# Altium PCB OctopusPB_r0101.PcbDoc (part 8 of 11) (continued)
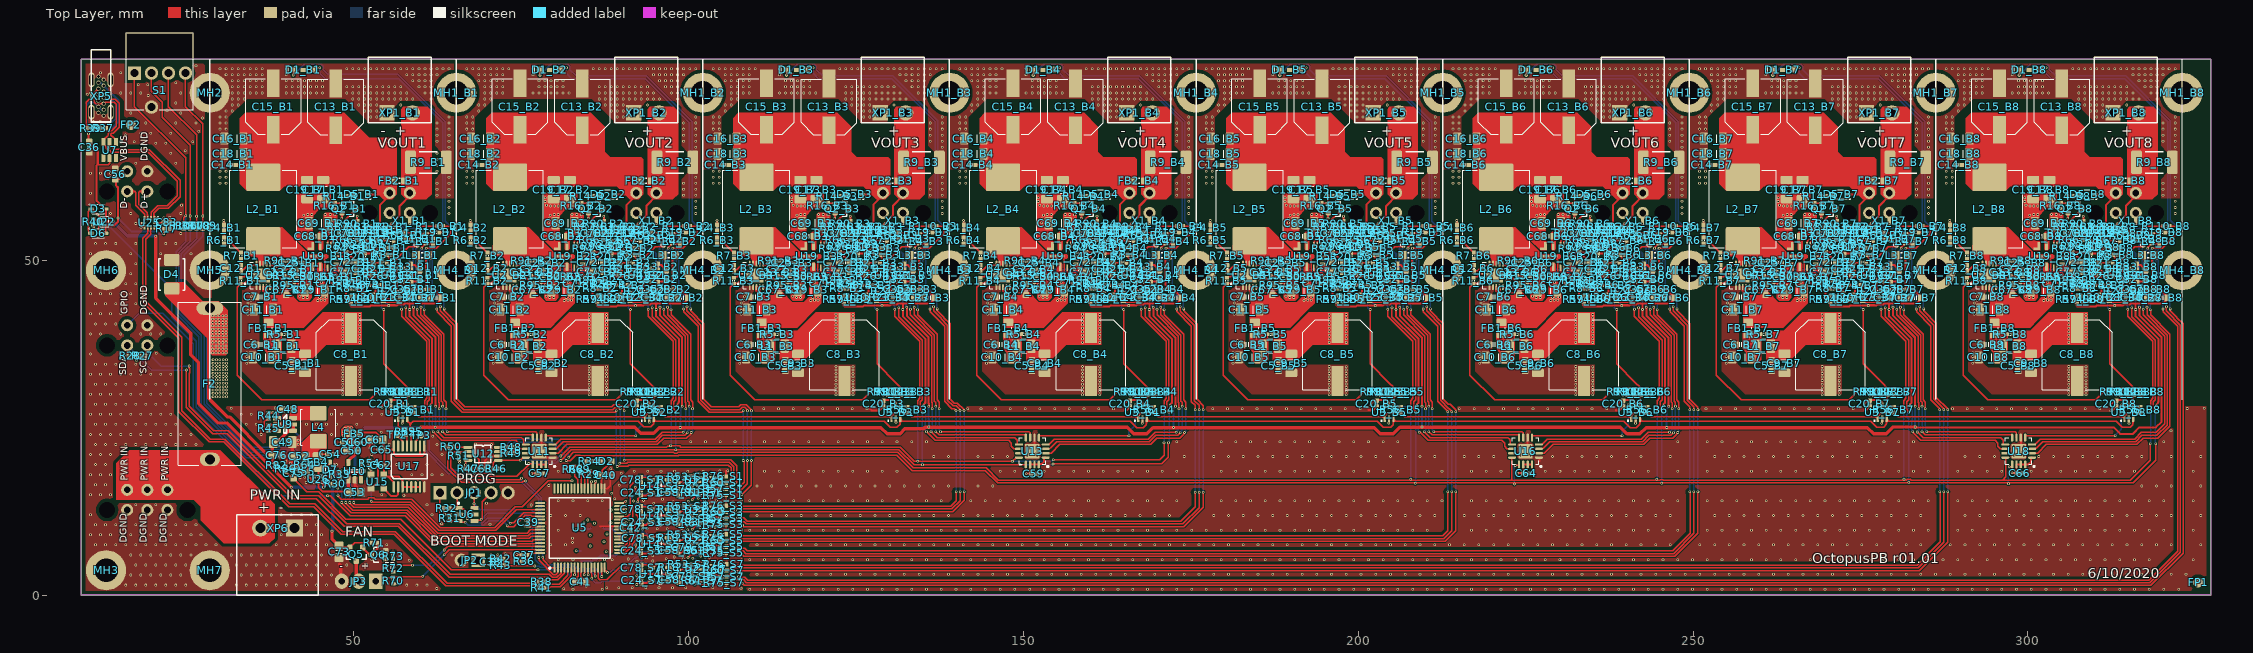
[diagram p0: Top Layer view]
## Nets (pads, with @x,y where several pads share a name; then routed paths per layer and width w, separated by ;. In a path a pad name is that pad's centre, name@x,y a point inside that pad or via, vN(x,y) a via of type N, cw(c..) or ccw(c..) an arc to the next point about the centre after c; other vN are vias at no path point) (continued)
I2C0_SDA: R24_B1.2 R24_B2.2 R24_B3.2 R24_B4.2 R47.1 U4_B1.7 U4_B2.7 U4_B3.7 U4_B4.7 U11.13 U12.4 U13.13 U20_B1.5 U20_B2.5 U20_B3.5 U20_B4.5 | length 244.2
  Top Layer w0.2: U20_B1.5@54.405,43.725 56.225,43.725 56.325,43.825 57.231,43.825 v1@57.44,44.034 ; U4_B1.7@56.979,46.84 57.004,46.815 57.004,46.365 57.232,46.137 57.232,45.376 57.417,45.191 57.417,44.888 57.44,44.866 v1@57.44,44.034 ; v1(57.55,44.1) 57.521,44.1 57.455,44.034 v1@57.44,44.034 ; v1(57.735,42.915) 57.735,41.581 61.25,38.066 61.25,29.184 60.95,28.884 60.95,27.707 61.25,27.407 v1(61.25,27.3) ; U12.4@67.05,20.1 66.788,20.1 66.672,19.985 v1(66.672,19.444) 66.672,18.902 R47.1@66.62,18.85 66.62,18.81 66.945,18.485 66.945,18.434 67.678,17.701 74.326,17.701 76.087,19.462 76.087,19.637 v1(76.1,19.65) ; v1@76.25,19.625 76.631,19.625 76.7,19.556 U11.13@76.7,19.5 ; v1(80.9,20.1) 80.954,20.1 81.104,20.25 81.107,20.25 81.575,20.718 81.575,20.782 82.493,21.7 131.409,21.7 133.659,19.45 v1(149.5,19.45) 150.3,19.45 U13.13@150.35,19.5 ; U20_B2.5@91.23,43.725 93.05,43.725 93.15,43.825 94.056,43.825 v1@94.265,44.034 ; U4_B2.7@93.804,46.84 93.829,46.815 93.829,46.365 94.057,46.137 94.057,45.376 94.242,45.191 94.242,44.888 94.265,44.866 v1@94.265,44.034 ; v1(94.375,44.1) 94.346,44.1 94.28,44.034 v1@94.265,44.034 ; v1(94.56,42.915) 94.56,41.581 98.075,38.066 98.075,29.184 97.775,28.884 97.775,27.707 98.075,27.407 v1(98.075,27.3) ; U20_B3.5@128.055,43.725 129.875,43.725 129.975,43.825 130.881,43.825 v1@131.09,44.034 ; U4_B3.7@130.629,46.84 130.654,46.815 130.654,46.365 130.882,46.137 130.882,45.376 131.067,45.191 131.067,44.888 131.09,44.866 v1@131.09,44.034 ; v1(131.2,44.1) 131.171,44.1 131.105,44.034 v1@131.09,44.034 ; v1(131.385,42.915) 131.385,41.581 134.9,38.066 134.9,29.184 134.6,28.884 134.6,27.707 134.9,27.407 v1(134.9,27.3) ; v1(154.4,19.575) 170.619,19.575 171.65,20.606 v1(171.65,22.725) ; U20_B4.5@164.88,43.725 166.7,43.725 166.8,43.825 167.706,43.825 v1@167.915,44.034 ; U4_B4.7@167.454,46.84 167.479,46.815 167.479,46.365 167.707,46.137 167.707,45.376 167.892,45.191 167.892,44.888 167.915,44.866 v1@167.915,44.034 ; v1(168.025,44.1) 167.996,44.1 167.93,44.034 v1@167.915,44.034 ; v1(168.21,42.915) 168.21,41.581 171.725,38.066 171.725,29.184 171.425,28.884 171.425,27.707 171.725,27.407 v1(171.725,27.3)
  Bottom Layer w0.2: v1@57.575,44.1 57.735,43.94 v1@57.735,42.95 ; v1(61.25,27.3) 61.25,21.541 64.166,18.625 66.275,18.625 66.672,19.022 v1(66.672,19.444) ; v1(76.1,19.65) 80.175,19.65 80.625,20.1 v1(80.9,20.1) ; v1@94.4,44.1 94.56,43.94 v1@94.56,42.95 ; v1(98.075,21.7) 98.1,21.725 98.1,27.275 v1(98.075,27.3) ; v1@131.225,44.1 131.385,43.94 v1@131.385,42.95 ; v1(134.9,27.3) 134.9,19.5 v1(134.925,19.475) ; v1(149.5,19.45) 154.275,19.45 v1(154.4,19.575) ; v1@168.05,44.1 168.21,43.94 v1@168.21,42.95 ; v1@171.75,22.725 v1@171.75,27.275
I2C1_SCL: R23_B5.2 R23_B6.2 R23_B7.2 R23_B8.2 R48.1 U4_B5.5 U4_B6.5 U4_B7.5 U4_B8.5 U12.8 U16.12 U18.12 U20_B5.6 U20_B6.6 U20_B7.6 U20_B8.6 | length 398.4
  Top Layer w0.2: U12.8@71.55,22.05 71.562,22.063 v1(72.45,22.063) 73.007,22.063 R48.1@73.02,22.075 ; v1(82.075,20.575) 82.8,21.3 97.768,21.3 97.868,21.2 98.282,21.2 98.382,21.3 131.244,21.3 133.569,18.975 144.466,18.975 146.266,17.175 222.9,17.175 ; U20_B5.6@201.743,44.188 U20_B5.6@201.705,44.225 201.755,44.275 203.07,44.275 R23_B5.2@203.245,44.45 203.245,44.49 202.912,44.823 202.912,45.882 203.095,46.064 v1@203.22,46.064 ; U4_B5.5@203.277,46.551 203.277,46.122 v1@203.22,46.064 ; U4_B5.5@203.279,46.749 U4_B5.5@203.279,46.84 ; v1(203.303,46.102) 203.264,46.064 v1@203.22,46.064 ; v1(204.425,42.7) 204.425,41.625 208.15,37.9 208.15,29.35 207.85,29.05 v1(207.85,27.4) ; U16.12@222.975,20.525 222.969,20.525 222.9,20.456 222.9,17.175 ; U20_B6.6@238.568,44.188 U20_B6.6@238.53,44.225 238.58,44.275 239.895,44.275 R23_B6.2@240.07,44.45 240.07,44.49 239.737,44.823 239.737,45.882 239.92,46.064 v1@240.045,46.064 ; U4_B6.5@240.102,46.551 240.102,46.122 v1@240.045,46.064 ; U4_B6.5@240.104,46.749 U4_B6.5@240.104,46.84 ; v1(240.128,46.102) 240.089,46.064 v1@240.045,46.064 ; v1(241.25,42.7) 241.25,41.625 244.975,37.9 244.975,29.35 244.675,29.05 v1(244.675,27.4) ; U20_B7.6@275.393,44.188 U20_B7.6@275.355,44.225 275.405,44.275 276.72,44.275 R23_B7.2@276.895,44.45 276.895,44.49 276.562,44.823 276.562,45.882 276.745,46.064 v1@276.87,46.064 ; U4_B7.5@276.927,46.551 276.927,46.122 v1@276.87,46.064 ; U4_B7.5@276.929,46.749 U4_B7.5@276.929,46.84 ; v1(276.953,46.102) 276.914,46.064 v1@276.87,46.064 ; v1(278.075,42.7) 278.075,41.625 281.8,37.9 281.8,29.35 281.5,29.05 v1(281.5,27.4) ; U18.12@296.625,20.525 296.656,20.525 296.725,20.456 296.725,17.675 296.225,17.175 ; U20_B8.6@312.218,44.188 U20_B8.6@312.18,44.225 312.23,44.275 313.545,44.275 R23_B8.2@313.72,44.45 313.72,44.49 313.387,44.823 313.387,45.882 313.57,46.064 v1@313.695,46.064 ; U4_B8.5@313.752,46.551 313.752,46.122 v1@313.695,46.064 ; U4_B8.5@313.754,46.749 U4_B8.5@313.754,46.84 ; v1(313.778,46.102) 313.739,46.064 v1@313.695,46.064 ; v1(314.9,42.7) 314.9,41.625 318.625,37.9 318.625,29.35 318.325,29.05 v1(318.325,27.4) ; v1(318.3,22.6) 318.3,20.15 315.325,17.175 296.225,17.175 ; 222.9,17.175 245.068,17.175 245.093,17.2 245.507,17.2 245.532,17.175 281.843,17.175 281.993,17.325 282.407,17.325 282.557,17.175 296.225,17.175
  Bottom Layer w0.2: v1(72.45,22.063) 73.687,23.3 80.55,23.3 82.025,21.825 v1@82.025,20.575 ; v1(203.303,46.102) 203.303,44.272 204.425,43.15 v1(204.425,42.7) ; v1(207.85,17.275) v1(207.85,27.4) ; v1(240.128,46.102) 240.128,44.272 241.25,43.15 v1(241.25,42.7) ; v1(244.6,17.3) 244.675,17.375 v1(244.675,27.4) ; v1(276.953,46.102) 276.953,44.272 278.075,43.15 v1(278.075,42.7) ; v1(281.5,17.3) v1(281.5,27.4) ; v1(313.778,46.102) 313.778,44.272 314.9,43.15 v1(314.9,42.7) ; v1@318.325,22.6 v1(318.325,27.4)
I2C1_SDA: R24_B5.2 R24_B6.2 R24_B7.2 R24_B8.2 R49.1 U4_B5.7 U4_B6.7 U4_B7.7 U4_B8.7 U12.7 U16.13 U18.13 U20_B5.5 U20_B6.5 U20_B7.5 U20_B8.5 | length 399.1
  Top Layer w0.2: U12.7@71.55,21.4 71.598,21.352 72.348,21.352 v1(72.461,21.239) 72.575,21.125 72.995,21.125 R49.1@73.02,21.15 ; v1(81.7,20.1) 81.725,20.075 82.282,20.075 83.107,20.9 83.725,20.9 83.825,20.8 98.448,20.8 98.548,20.9 131.078,20.9 133.403,18.575 144.3,18.575 146.142,16.733 v1@223.325,16.733 ; U20_B5.5@201.705,43.725 203.525,43.725 203.625,43.825 204.531,43.825 204.74,44.034 204.74,44.866 204.717,44.888 204.717,45.191 204.532,45.376 204.532,46.137 204.304,46.365 204.304,46.815 U4_B5.7@204.279,46.84 ; v1(205.035,42.915) 205.035,41.581 208.55,38.066 208.55,29.184 208.25,28.884 208.25,27.707 208.55,27.407 v1(208.55,27.3) ; v1(223.325,16.575) 223.35,16.6 223.35,16.733 315.733,16.733 319.1,20.1 v1(319.1,22.575) ; v1(223.425,19.35) 223.931,19.35 224,19.419 U16.13@224,19.5 ; U20_B6.5@238.53,43.725 240.35,43.725 240.45,43.825 241.356,43.825 v1@241.565,44.034 ; U4_B6.7@241.104,46.84 241.129,46.815 241.129,46.365 241.357,46.137 241.357,45.376 241.542,45.191 241.542,44.888 241.565,44.866 v1@241.565,44.034 ; v1(241.675,44.1) 241.646,44.1 241.58,44.034 v1@241.565,44.034 ; v1(241.86,42.915) 241.86,41.581 245.375,38.066 245.375,29.184 245.075,28.884 245.075,27.707 245.375,27.407 v1(245.375,27.3) ; U20_B7.5@275.355,43.725 277.175,43.725 277.275,43.825 278.181,43.825 v1@278.39,44.034 ; U4_B7.7@277.929,46.84 277.954,46.815 277.954,46.365 278.182,46.137 278.182,45.376 278.367,45.191 278.367,44.888 278.39,44.866 v1@278.39,44.034 ; v1(278.5,44.1) 278.471,44.1 278.405,44.034 v1@278.39,44.034 ; v1(278.685,42.915) 278.685,41.581 282.2,38.066 282.2,29.184 281.9,28.884 281.9,27.707 282.2,27.407 v1(282.2,27.3) ; v1(297.225,19.175) 297.581,19.175 297.65,19.244 U18.13@297.65,19.5 ; U20_B8.5@312.18,43.725 314,43.725 314.1,43.825 315.006,43.825 v1@315.215,44.034 ; U4_B8.7@314.754,46.84 314.779,46.815 314.779,46.365 315.007,46.137 315.007,45.376 315.192,45.191 315.192,44.888 315.215,44.866 v1@315.215,44.034 ; v1(315.325,44.1) 315.296,44.1 315.23,44.034 v1@315.215,44.034 ; v1(315.51,42.915) 315.51,41.581 319.025,38.066 319.025,29.184 318.725,28.884 318.725,27.707 319.025,27.407 v1(319.025,27.3)
  Bottom Layer w0.2: v1(72.461,21.239) 74.023,22.8 79.557,22.8 81.4,20.957 81.4,20.454 81.7,20.154 v1(81.7,20.1) ; v1@204.875,44.1 205.035,43.94 v1@205.035,42.95 ; v1@208.55,16.825 v1(208.55,27.3) ; v1(223.325,16.575) 223.325,19.375 223.4,19.375 v1(223.425,19.35) ; v1@241.7,44.1 241.86,43.94 v1@241.86,42.95 ; v1(245.3,16.7) 245.3,27.225 v1(245.375,27.3) ; v1@278.525,44.1 278.685,43.94 v1@278.685,42.95 ; v1(282.2,16.825) 282.2,26.35 281.9,26.65 281.9,26.946 282.2,27.246 v1(282.2,27.3) ; v1(297.1,16.625) 297.1,18.432 297.225,18.557 v1(297.225,19.175) ; v1@315.35,44.1 315.51,43.94 v1@315.51,42.95 ; v1@319.05,22.575 v1@319.05,27.275
  other v1: 208.5,16.675 204.85,44.1
ISP0: R42.2 R43.2 U5.13 | length 16.5
  Top Layer w0.2: R42.2@72.395,5.425 72.397,5.422 72.397,4.452 R43.2@72.4,4.45 72.487,4.363 76.987,4.363 v1(77.025,4.325) ; U5.13@85.966,4.109 85.966,2.963 86.025,2.904 v1(86.025,2.85)
  Bottom Layer w0.2: v1(77.025,4.325) 77.063,4.287 77.188,4.287 77.2,4.275 77.707,4.275 77.845,4.137 82.65,4.137 83.262,3.525 84.607,3.525 ; 84.608,3.525 85.35,3.525 v1(86.025,2.85)
ISP1: R29.2 U5.38 | length 1.8
  Top Layer w0.2: U5.38@84.966,15.909 84.966,17.41 85.151,17.595 R29.2@85.175,17.595
MCU_USB_D_N: R41.2 U25.7 | length 94.7
  Top Layer w0.2: U25.7@19.2,54.9 19.225,54.875 19.225,54.61 19.25,54.585 19.25,54.05 18.5,53.3 18.5,43.701 23.875,38.326 23.875,27.384 28.38,22.88 30.58,22.88 40.259,13.2 44.025,13.2 48.15,9.075 56.031,9.075 63.756,1.35 R41.2@77.675,1.35
MCU_USB_D_P: R38.2 U25.8 | length 94
  Top Layer w0.2: U25.8@19.7,54.9 19.675,54.875 19.675,54.61 19.65,54.585 19.65,53.884 18.9,53.134 18.9,43.867 24.275,38.492 24.275,27.55 28.545,23.28 30.745,23.28 40.425,13.6 44.191,13.6 48.316,9.475 56.197,9.475 63.922,1.75 R38.2@77.675,1.75
METER_USB_D_N: U25.4 XP4.3 | length 6
  Top Layer w0.2: XP4.3@16.15,60.285 17.333,60.285 17.45,60.168 17.45,58.197 18.757,56.89 18.757,56.597 18.75,56.59 U25.4@18.75,56.084
METER_USB_D_P: U25.3 XP4.4 | length 5.9
  Top Layer w0.2: XP4.4@19.15,60.285 17.967,60.285 17.85,60.168 17.85,58.363 19.157,57.056 19.157,56.558 19.175,56.54 19.175,56.25 U25.3@19.225,56.2
NetC2_B1_1: C2_B1.1 R2_B1.1 | length 1.4
  Top Layer w0.2: R2_B1.1@56.33,54.975 56.347,54.958 56.347,54.532 ; C2_B1.1@56.35,54.1 56.35,54.53 56.347,54.532 ; C2_B1.1@56.365,54 56.347,54.018 56.347,54.532
NetC2_B1_2: C2_B1.2 R1_B1.1 R67_B1.2 U1_B1.1 | length 3
  Top Layer w0.2: U1_B1.1@53.95,52.875 U1_B1.1@54.025,52.95 ; U1_B1.1@53.95,53.275 54.425,53.75 54.425,53.81 54.385,53.85 R1_B1.1@54.375,53.85 ; U1_B1.1@54,52.875 R67_B1.2@54.97,52.875 ; R1_B1.1@54.5,53.995 R1_B1.1@54.58,53.915 ; R1_B1.1@54.5,54.095 54.547,54.048 55.437,54.048 C2_B1.2@55.485,54
NetC2_B2_1: C2_B2.1 R2_B2.1 | length 1.4
  Top Layer w0.2: R2_B2.1@93.155,54.975 93.172,54.958 93.172,54.532 ; C2_B2.1@93.175,54.1 93.175,54.53 93.172,54.532 ; C2_B2.1@93.19,54 93.172,54.018 93.172,54.532
NetC2_B2_2: C2_B2.2 R1_B2.1 R67_B2.2 U1_B2.1 | length 3
  Top Layer w0.2: U1_B2.1@90.775,52.875 U1_B2.1@90.85,52.95 ; U1_B2.1@90.775,53.275 91.25,53.75 91.25,53.81 91.21,53.85 R1_B2.1@91.2,53.85 ; U1_B2.1@90.825,52.875 R67_B2.2@91.795,52.875 ; R1_B2.1@91.325,53.995 R1_B2.1@91.405,53.915 ; R1_B2.1@91.325,54.095 91.372,54.048 92.263,54.048 C2_B2.2@92.31,54
NetC2_B3_1: C2_B3.1 R2_B3.1 | length 1
  Top Layer w0.2: R2_B3.1@129.98,54.975 129.997,54.958 129.997,54.018 C2_B3.1@130.015,54
NetC2_B3_2: C2_B3.2 R1_B3.1 R67_B3.2 U1_B3.1 | length 3
  Top Layer w0.2: U1_B3.1@127.6,52.875 U1_B3.1@127.675,52.95 ; U1_B3.1@127.6,53.275 128.075,53.75 128.075,53.81 128.035,53.85 R1_B3.1@128.025,53.85 ; U1_B3.1@127.65,52.875 R67_B3.2@128.62,52.875 ; R1_B3.1@128.15,53.995 R1_B3.1@128.23,53.915 ; R1_B3.1@128.15,54.095 128.197,54.048 129.088,54.048 C2_B3.2@129.135,54
NetC2_B4_1: C2_B4.1 R2_B4.1 | length 1.4
  Top Layer w0.2: R2_B4.1@166.805,54.975 166.823,54.958 166.823,54.532 ; C2_B4.1@166.825,54.1 166.825,54.53 166.823,54.532 ; C2_B4.1@166.84,54 166.823,54.018 166.823,54.532
NetC2_B4_2: C2_B4.2 R1_B4.1 R67_B4.2 U1_B4.1 | length 3
  Top Layer w0.2: U1_B4.1@164.425,52.875 U1_B4.1@164.5,52.95 ; U1_B4.1@164.425,53.275 164.9,53.75 164.9,53.81 164.86,53.85 R1_B4.1@164.85,53.85 ; U1_B4.1@164.475,52.875 R67_B4.2@165.445,52.875 ; R1_B4.1@164.975,53.995 R1_B4.1@165.055,53.915 ; R1_B4.1@164.975,54.095 165.022,54.048 165.913,54.048 C2_B4.2@165.96,54
NetC2_B5_1: C2_B5.1 R2_B5.1 | length 1.4
  Top Layer w0.2: R2_B5.1@203.63,54.975 203.648,54.958 203.648,54.532 ; C2_B5.1@203.65,54.1 203.65,54.53 203.648,54.532 ; C2_B5.1@203.665,54 203.648,54.018 203.648,54.532
NetC2_B5_2: C2_B5.2 R1_B5.1 R67_B5.2 U1_B5.1 | length 3
  Top Layer w0.2: U1_B5.1@201.25,52.875 U1_B5.1@201.325,52.95 ; U1_B5.1@201.25,53.275 201.725,53.75 201.725,53.81 201.685,53.85 R1_B5.1@201.675,53.85 ; U1_B5.1@201.3,52.875 R67_B5.2@202.27,52.875 ; R1_B5.1@201.8,53.995 R1_B5.1@201.88,53.915 ; R1_B5.1@201.8,54.095 201.847,54.048 202.738,54.048 C2_B5.2@202.785,54
NetC2_B6_1: C2_B6.1 R2_B6.1 | length 1.4
  Top Layer w0.2: R2_B6.1@240.455,54.975 240.473,54.958 240.473,54.532 ; C2_B6.1@240.475,54.1 240.475,54.53 240.473,54.532 ; C2_B6.1@240.49,54 240.473,54.018 240.473,54.532
NetC2_B6_2: C2_B6.2 R1_B6.1 R67_B6.2 U1_B6.1 | length 3
  Top Layer w0.2: U1_B6.1@238.075,52.875 U1_B6.1@238.15,52.95 ; U1_B6.1@238.075,53.275 238.55,53.75 238.55,53.81 238.51,53.85 R1_B6.1@238.5,53.85 ; U1_B6.1@238.125,52.875 R67_B6.2@239.095,52.875 ; R1_B6.1@238.625,53.995 R1_B6.1@238.705,53.915 ; R1_B6.1@238.625,54.095 238.672,54.048 239.563,54.048 C2_B6.2@239.61,54
NetC2_B7_1: C2_B7.1 R2_B7.1 | length 1.4
  Top Layer w0.2: R2_B7.1@277.28,54.975 277.298,54.958 277.298,54.532 ; C2_B7.1@277.3,54.1 277.3,54.53 277.298,54.532 ; C2_B7.1@277.315,54 277.298,54.018 277.298,54.532
NetC2_B7_2: C2_B7.2 R1_B7.1 R67_B7.2 U1_B7.1 | length 3
  Top Layer w0.2: U1_B7.1@274.9,52.875 U1_B7.1@274.975,52.95 ; U1_B7.1@274.9,53.275 275.375,53.75 275.375,53.81 275.335,53.85 R1_B7.1@275.325,53.85 ; U1_B7.1@274.95,52.875 R67_B7.2@275.92,52.875 ; R1_B7.1@275.45,53.995 R1_B7.1@275.53,53.915 ; R1_B7.1@275.45,54.095 275.498,54.048 276.388,54.048 C2_B7.2@276.435,54
NetC2_B8_1: C2_B8.1 R2_B8.1 | length 1.4
  Top Layer w0.2: R2_B8.1@314.105,54.975 314.123,54.958 314.123,54.532 ; C2_B8.1@314.125,54.1 314.125,54.53 314.123,54.532 ; C2_B8.1@314.14,54 314.123,54.018 314.123,54.532
NetC2_B8_2: C2_B8.2 R1_B8.1 R67_B8.2 U1_B8.1 | length 3
  Top Layer w0.2: U1_B8.1@311.725,52.875 U1_B8.1@311.8,52.95 ; U1_B8.1@311.725,53.275 312.2,53.75 312.2,53.81 312.16,53.85 R1_B8.1@312.15,53.85 ; U1_B8.1@311.775,52.875 R67_B8.2@312.745,52.875 ; R1_B8.1@312.275,53.995 R1_B8.1@312.355,53.915 ; R1_B8.1@312.275,54.095 312.323,54.048 313.213,54.048 C2_B8.2@313.26,54
NetC4_B1_1: C4_B1.1 R6_B1.2 | length 1
  Top Layer w0.2: R6_B1.2@30.625,53.405 C4_B1.1@30.625,54.425
NetC4_B2_1: C4_B2.1 R6_B2.2 | length 1
  Top Layer w0.2: R6_B2.2@67.45,53.405 C4_B2.1@67.45,54.425
NetC4_B3_1: C4_B3.1 R6_B3.2 | length 1
  Top Layer w0.2: R6_B3.2@104.275,53.405 C4_B3.1@104.275,54.425
NetC4_B4_1: C4_B4.1 R6_B4.2 | length 1
  Top Layer w0.2: R6_B4.2@141.1,53.405 C4_B4.1@141.1,54.425
NetC4_B5_1: C4_B5.1 R6_B5.2 | length 1
  Top Layer w0.2: R6_B5.2@177.925,53.405 C4_B5.1@177.925,54.425
NetC4_B6_1: C4_B6.1 R6_B6.2 | length 1
  Top Layer w0.2: R6_B6.2@214.75,53.405 C4_B6.1@214.75,54.425
NetC4_B7_1: C4_B7.1 R6_B7.2 | length 1
  Top Layer w0.2: R6_B7.2@251.575,53.405 C4_B7.1@251.575,54.425
NetC4_B8_1: C4_B8.1 R6_B8.2 | length 1
  Top Layer w0.2: R6_B8.2@288.4,53.405 C4_B8.1@288.4,54.425
NetC6_B1_1: C6_B1.1 C10_B1.1 FB1_B1.1 L1_B1.2 R5_B1.2 | length 1.5
  Top Layer w0.2: 38.375,38.975 R5_B1.2@39.145,38.975 39.145,38.27 39.125,38.25
NetC6_B2_1: C6_B2.1 C10_B2.1 FB1_B2.1 L1_B2.2 R5_B2.2 | length 1.5
  Top Layer w0.2: 75.2,38.975 R5_B2.2@75.97,38.975 75.97,38.27 75.95,38.25
NetC6_B3_1: C6_B3.1 C10_B3.1 FB1_B3.1 L1_B3.2 R5_B3.2 | length 1.5
  Top Layer w0.2: 112.025,38.975 R5_B3.2@112.795,38.975 112.795,38.27 112.775,38.25
NetC6_B4_1: C6_B4.1 C10_B4.1 FB1_B4.1 L1_B4.2 R5_B4.2 | length 1.5
  Top Layer w0.2: 148.85,38.975 R5_B4.2@149.62,38.975 149.62,38.27 149.6,38.25
NetC6_B5_1: C6_B5.1 C10_B5.1 FB1_B5.1 L1_B5.2 R5_B5.2 | length 1.5
  Top Layer w0.2: 185.675,38.975 R5_B5.2@186.445,38.975 186.445,38.27 186.425,38.25
NetC6_B6_1: C6_B6.1 C10_B6.1 FB1_B6.1 L1_B6.2 R5_B6.2 | length 1.5
  Top Layer w0.2: 222.5,38.975 R5_B6.2@223.27,38.975 223.27,38.27 223.25,38.25
NetC6_B7_1: C6_B7.1 C10_B7.1 FB1_B7.1 L1_B7.2 R5_B7.2 | length 1.5
  Top Layer w0.2: 259.325,38.975 R5_B7.2@260.095,38.975 260.095,38.27 260.075,38.25
NetC6_B8_1: C6_B8.1 C10_B8.1 FB1_B8.1 L1_B8.2 R5_B8.2 | length 1.5
  Top Layer w0.2: 296.15,38.975 R5_B8.2@296.92,38.975 296.92,38.27 296.9,38.25
NetC12_B1_1: C12_B1.1 R7_B1.1 | length 1
  Top Layer w0.2: C12_B1.1@33.125,49.24 33.138,49.252 33.138,50.207 R7_B1.1@33.15,50.22
NetC12_B2_1: C12_B2.1 R7_B2.1 | length 1
  Top Layer w0.2: C12_B2.1@69.95,49.24 69.963,49.252 69.963,50.207 R7_B2.1@69.975,50.22
NetC12_B3_1: C12_B3.1 R7_B3.1 | length 1
  Top Layer w0.2: C12_B3.1@106.775,49.24 106.788,49.252 106.788,50.207 R7_B3.1@106.8,50.22
NetC12_B4_1: C12_B4.1 R7_B4.1 | length 1
  Top Layer w0.2: C12_B4.1@143.6,49.24 143.613,49.252 143.613,50.207 R7_B4.1@143.625,50.22
NetC12_B5_1: C12_B5.1 R7_B5.1 | length 1
  Top Layer w0.2: C12_B5.1@180.425,49.24 180.438,49.252 180.438,50.207 R7_B5.1@180.45,50.22
NetC12_B6_1: C12_B6.1 R7_B6.1 | length 1
  Top Layer w0.2: C12_B6.1@217.25,49.24 217.263,49.252 217.263,50.207 R7_B6.1@217.275,50.22
NetC12_B7_1: C12_B7.1 R7_B7.1 | length 1
  Top Layer w0.2: C12_B7.1@254.075,49.24 254.088,49.252 254.088,50.207 R7_B7.1@254.1,50.22
NetC12_B8_1: C12_B8.1 R7_B8.1 | length 1
  Top Layer w0.2: C12_B8.1@290.9,49.24 290.913,49.252 290.913,50.207 R7_B8.1@290.925,50.22
NetC21_B1_1: C21_B1.1 R63_B1.1 | length 1
  Top Layer w0.2: C21_B1.1@51.565,54.065 R63_B1.1@51.565,55.005 ; R63_B1.1@51.57,55.025 R63_B1.1@51.59,55.005 ; C21_B1.1@51.575,54.05 C21_B1.1@51.59,54.065
NetC21_B1_2: C21_B1.2 R12_B1.1 R22_B1.2 U1_B1.3 | length 3
  Top Layer w0.2: R22_B1.2@51.77,52.855 52.63,52.855 U1_B1.3@52.65,52.875 ; C21_B1.2@52.49,54.05 C21_B1.2@52.518,54.022 ; C21_B1.2@52.493,54.022 C21_B1.2@52.518,54.022 ; U1_B1.3@52.6,52.975 52.6,53.82 C21_B1.2@52.725,53.945 ; R12_B1.1@53.125,53.87 R12_B1.1@53.25,53.995 ; R12_B1.1@53.125,53.95 R12_B1.1@53.052,54.022 ; R12_B1.1@53.253,54.022 R12_B1.1@53.052,54.022 ; C21_B1.2@52.518,54.022 R12_B1.1@53.052,54.022
NetC21_B2_1: C21_B2.1 R63_B2.1 | length 1
  Top Layer w0.2: C21_B2.1@88.39,54.065 R63_B2.1@88.39,55.005 ; R63_B2.1@88.395,55.025 R63_B2.1@88.415,55.005 ; C21_B2.1@88.4,54.05 C21_B2.1@88.415,54.065
NetC21_B2_2: C21_B2.2 R12_B2.1 R22_B2.2 U1_B2.3 | length 3
  Top Layer w0.2: R22_B2.2@88.595,52.855 89.455,52.855 U1_B2.3@89.475,52.875 ; C21_B2.2@89.315,54.05 C21_B2.2@89.343,54.022 ; C21_B2.2@89.318,54.022 C21_B2.2@89.343,54.022 ; U1_B2.3@89.425,52.975 89.425,53.82 C21_B2.2@89.55,53.945 ; R12_B2.1@89.95,53.87 R12_B2.1@90.075,53.995 ; R12_B2.1@89.95,53.95 R12_B2.1@89.877,54.022 ; R12_B2.1@90.078,54.022 R12_B2.1@89.877,54.022 ; C21_B2.2@89.343,54.022 R12_B2.1@89.877,54.022
NetC21_B3_1: C21_B3.1 R63_B3.1 | length 1
  Top Layer w0.2: C21_B3.1@125.215,54.065 R63_B3.1@125.215,55.005 ; R63_B3.1@125.22,55.025 R63_B3.1@125.24,55.005 ; C21_B3.1@125.225,54.05 C21_B3.1@125.24,54.065
NetC21_B3_2: C21_B3.2 R12_B3.1 R22_B3.2 U1_B3.3 | length 3
  Top Layer w0.2: R22_B3.2@125.42,52.855 126.28,52.855 U1_B3.3@126.3,52.875 ; C21_B3.2@126.14,54.05 C21_B3.2@126.168,54.022 ; C21_B3.2@126.143,54.022 C21_B3.2@126.168,54.022 ; U1_B3.3@126.25,52.975 126.25,53.82 C21_B3.2@126.375,53.945 ; R12_B3.1@126.775,53.87 R12_B3.1@126.9,53.995 ; R12_B3.1@126.775,53.95 R12_B3.1@126.702,54.022 ; R12_B3.1@126.903,54.022 R12_B3.1@126.702,54.022 ; C21_B3.2@126.168,54.022 R12_B3.1@126.702,54.022
NetC21_B4_1: C21_B4.1 R63_B4.1 | length 1
  Top Layer w0.2: C21_B4.1@162.04,54.065 R63_B4.1@162.04,55.005 ; R63_B4.1@162.045,55.025 R63_B4.1@162.065,55.005 ; C21_B4.1@162.05,54.05 C21_B4.1@162.065,54.065
NetC21_B4_2: C21_B4.2 R12_B4.1 R22_B4.2 U1_B4.3 | length 3
  Top Layer w0.2: R22_B4.2@162.245,52.855 163.105,52.855 U1_B4.3@163.125,52.875 ; C21_B4.2@162.965,54.05 C21_B4.2@162.993,54.022 ; C21_B4.2@162.968,54.022 C21_B4.2@162.993,54.022 ; U1_B4.3@163.075,52.975 163.075,53.82 C21_B4.2@163.2,53.945 ; R12_B4.1@163.6,53.87 R12_B4.1@163.725,53.995 ; R12_B4.1@163.6,53.95 R12_B4.1@163.528,54.022 ; R12_B4.1@163.728,54.022 R12_B4.1@163.528,54.022 ; C21_B4.2@162.993,54.022 R12_B4.1@163.528,54.022
NetC21_B5_1: C21_B5.1 R63_B5.1 | length 1
  Top Layer w0.2: C21_B5.1@198.865,54.065 R63_B5.1@198.865,55.005 ; R63_B5.1@198.87,55.025 R63_B5.1@198.89,55.005 ; C21_B5.1@198.875,54.05 C21_B5.1@198.89,54.065
NetC21_B5_2: C21_B5.2 R12_B5.1 R22_B5.2 U1_B5.3 | length 3
  Top Layer w0.2: R22_B5.2@199.07,52.855 199.93,52.855 U1_B5.3@199.95,52.875 ; C21_B5.2@199.79,54.05 C21_B5.2@199.818,54.022 ; C21_B5.2@199.793,54.022 C21_B5.2@199.818,54.022 ; U1_B5.3@199.9,52.975 199.9,53.82 C21_B5.2@200.025,53.945 ; R12_B5.1@200.425,53.87 R12_B5.1@200.55,53.995 ; R12_B5.1@200.425,53.95 R12_B5.1@200.353,54.022 ; R12_B5.1@200.553,54.022 R12_B5.1@200.353,54.022 ; C21_B5.2@199.818,54.022 R12_B5.1@200.353,54.022
NetC21_B6_1: C21_B6.1 R63_B6.1 | length 1
  Top Layer w0.2: R63_B6.1@235.67,55.025 235.69,55.005 235.69,54.07 C21_B6.1@235.71,54.05
NetC21_B6_2: C21_B6.2 R12_B6.1 R22_B6.2 U1_B6.3 | length 3
  Top Layer w0.2: R22_B6.2@235.775,52.855 236.755,52.855 U1_B6.3@236.775,52.875 236.775,53.865 C21_B6.2@236.618,54.022 ; C21_B6.2@236.59,54.05 C21_B6.2@236.618,54.022 ; R12_B6.1@237.35,53.995 237.323,54.022 C21_B6.2@236.618,54.022
NetC21_B7_1: C21_B7.1 R63_B7.1 | length 1
  Top Layer w0.2: C21_B7.1@272.515,54.065 R63_B7.1@272.515,55.005 ; R63_B7.1@272.52,55.025 R63_B7.1@272.54,55.005 ; C21_B7.1@272.525,54.05 C21_B7.1@272.54,54.065
NetC21_B7_2: C21_B7.2 R12_B7.1 R22_B7.2 U1_B7.3 | length 3
  Top Layer w0.2: R22_B7.2@272.72,52.855 273.58,52.855 U1_B7.3@273.6,52.875 ; C21_B7.2@273.44,54.05 C21_B7.2@273.468,54.022 ; C21_B7.2@273.443,54.022 C21_B7.2@273.468,54.022 ; U1_B7.3@273.55,52.975 273.55,53.82 C21_B7.2@273.675,53.945 ; R12_B7.1@274.075,53.87 R12_B7.1@274.2,53.995 ; R12_B7.1@274.075,53.95 R12_B7.1@274.003,54.022 ; R12_B7.1@274.203,54.022 R12_B7.1@274.003,54.022 ; C21_B7.2@273.468,54.022 R12_B7.1@274.003,54.022
NetC21_B8_1: C21_B8.1 R63_B8.1 | length 1
  Top Layer w0.2: C21_B8.1@309.34,54.065 R63_B8.1@309.34,55.005 ; R63_B8.1@309.345,55.025 R63_B8.1@309.365,55.005 ; C21_B8.1@309.35,54.05 C21_B8.1@309.365,54.065
NetC21_B8_2: C21_B8.2 R12_B8.1 R22_B8.2 U1_B8.3 | length 3
  Top Layer w0.2: R22_B8.2@309.545,52.855 310.405,52.855 U1_B8.3@310.425,52.875 ; C21_B8.2@310.265,54.05 C21_B8.2@310.293,54.022 ; C21_B8.2@310.268,54.022 C21_B8.2@310.293,54.022 ; U1_B8.3@310.375,52.975 310.375,53.82 C21_B8.2@310.5,53.945 ; R12_B8.1@310.9,53.87 R12_B8.1@311.025,53.995 ; R12_B8.1@310.9,53.95 R12_B8.1@310.828,54.022 ; R12_B8.1@311.028,54.022 R12_B8.1@310.828,54.022 ; C21_B8.2@310.293,54.022 R12_B8.1@310.828,54.022
NetC22_B1_1: C22_B1.1 C23_B1.1 U2_B1.8 | length 2.5
  Top Layer w0.2: U2_B1.8@38.224,48.477 39.45,48.477 C23_B1.1@39.602,48.629 39.607,48.634 40.632,48.634 C22_B1.1@40.637,48.639
NetC22_B1_2: C22_B1.2 R15_B1.2 | length 1
  Top Layer w0.2: R15_B1.2@41.507,47.664 41.512,47.669 41.512,48.634 C22_B1.2@41.517,48.639
NetC22_B2_1: C22_B2.1 C23_B2.1 U2_B2.8 | length 2.5
  Top Layer w0.2: U2_B2.8@75.049,48.477 76.275,48.477 C23_B2.1@76.427,48.629 76.432,48.634 77.457,48.634 C22_B2.1@77.462,48.639
NetC22_B2_2: C22_B2.2 R15_B2.2 | length 1
  Top Layer w0.2: R15_B2.2@78.332,47.664 78.337,47.669 78.337,48.634 C22_B2.2@78.342,48.639
NetC22_B3_1: C22_B3.1 C23_B3.1 U2_B3.8 | length 2.5
  Top Layer w0.2: U2_B3.8@111.874,48.477 113.1,48.477 C23_B3.1@113.252,48.629 113.257,48.634 114.282,48.634 C22_B3.1@114.287,48.639
NetC22_B3_2: C22_B3.2 R15_B3.2 | length 1
  Top Layer w0.2: R15_B3.2@115.157,47.664 115.162,47.669 115.162,48.634 C22_B3.2@115.167,48.639
NetC22_B4_1: C22_B4.1 C23_B4.1 U2_B4.8 | length 2.5
  Top Layer w0.2: U2_B4.8@148.699,48.477 149.925,48.477 C23_B4.1@150.077,48.629 150.082,48.634 151.107,48.634 C22_B4.1@151.112,48.639
NetC22_B4_2: C22_B4.2 R15_B4.2 | length 1
  Top Layer w0.2: R15_B4.2@151.982,47.664 151.987,47.669 151.987,48.634 C22_B4.2@151.992,48.639
NetC22_B5_1: C22_B5.1 C23_B5.1 U2_B5.8 | length 2.5
  Top Layer w0.2: U2_B5.8@185.524,48.477 186.75,48.477 C23_B5.1@186.902,48.629 186.907,48.634 187.932,48.634 C22_B5.1@187.937,48.639
NetC22_B5_2: C22_B5.2 R15_B5.2 | length 1
  Top Layer w0.2: R15_B5.2@188.807,47.664 188.812,47.669 188.812,48.634 C22_B5.2@188.817,48.639